# Altium PCB PFC_Stage.PcbDoc (part 4 of 5) (continued)
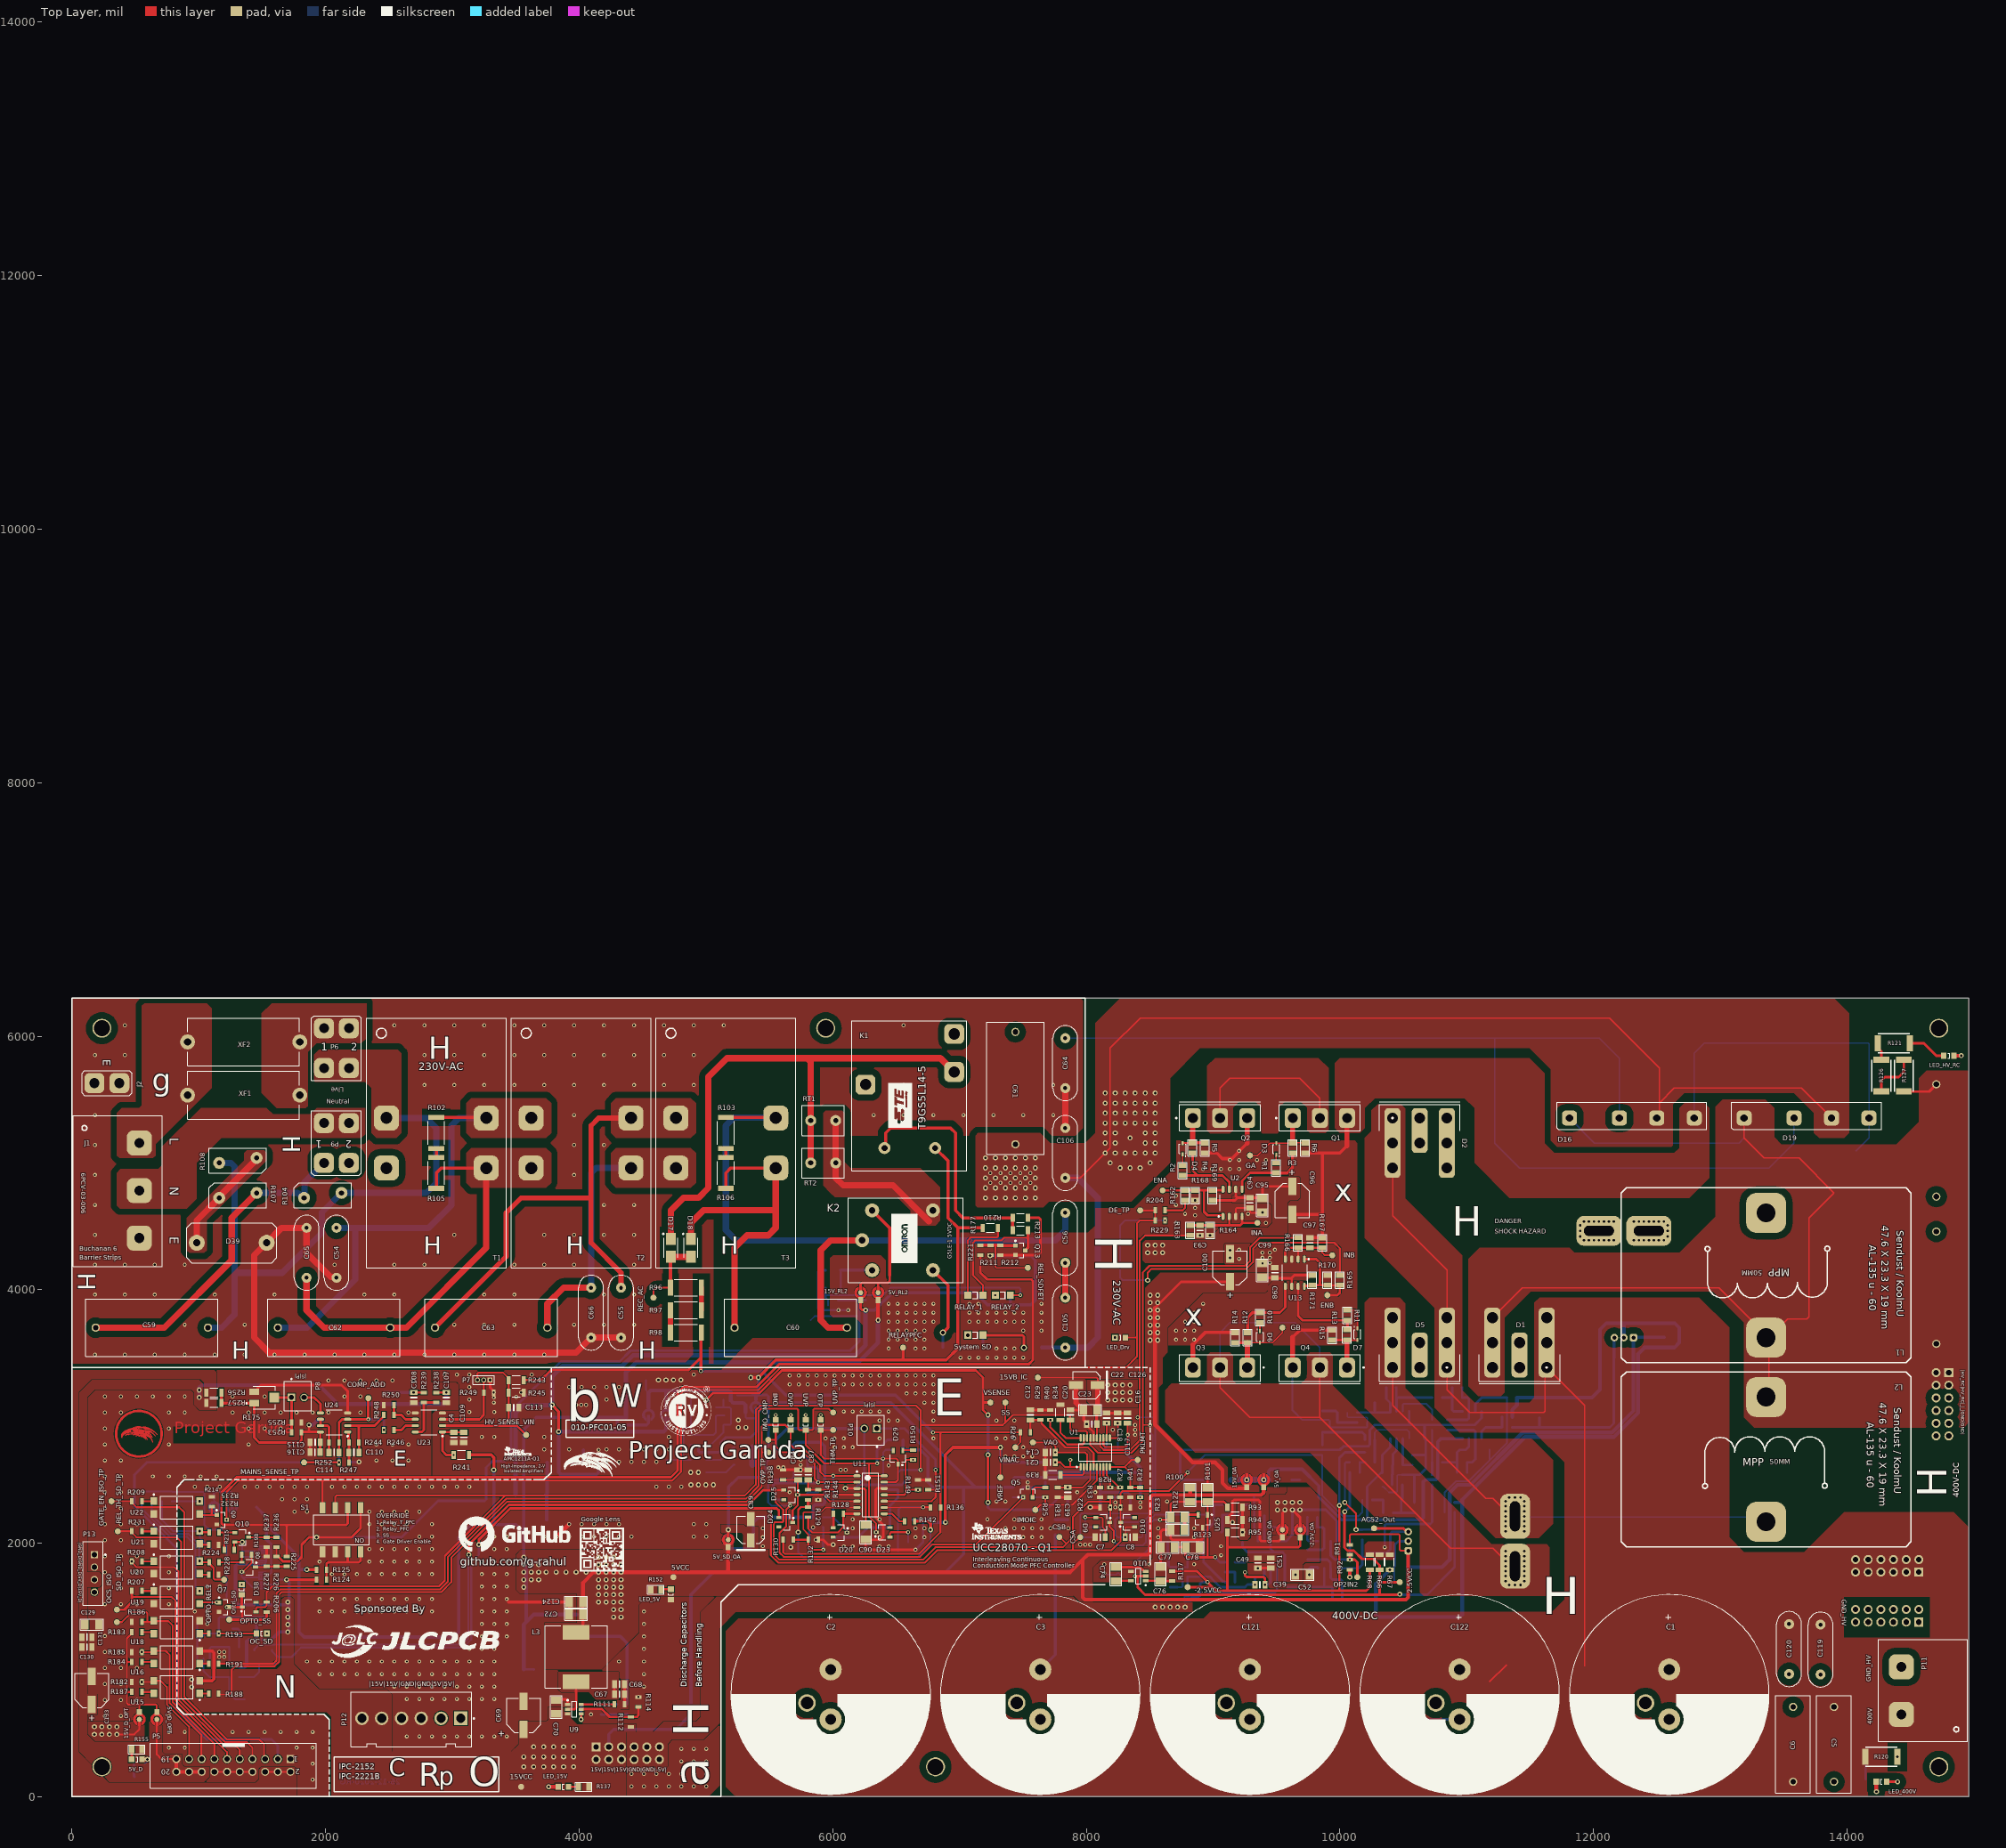
[diagram p0: Top Layer view]
## Nets (pads, with @x,y where several pads share a name; then routed paths per layer and width w, separated by ;. In a path a pad name is that pad's centre, name@x,y a point inside that pad or via, vN(x,y) a via of type N, cw(c..) or ccw(c..) an arc to the next point about the centre after c; other vN are vias at no path point) (continued)
NetR96_1: R96.1 R97.2 | length 177.2
  Top Layer w39.37: R97.2@4964.57,3838.58 R96.1@4964.57,4015.75
NetR97_1: R97.1 R98.2 | length 177.2
  Top Layer w39.37: R98.2@4720.47,3661.42 R97.1@4720.47,3838.58
NetR99_2: R99.2 U4.3 | length 385.1
  Bottom Layer w15: U4.3@10497.44,3040.35 10497.44,3091.4 10506.23,3100.18 10680.19,3100.18 10728.35,3052.03 R99.2@10728.35,2972.44
NetR102_2: R102.2 R105.1 | length 70.9
  Top Layer w25: R105.1@2874.02,5043.31 R102.2@2874.02,5114.17
NetR103_2: R103.2 R106.1 | length 70.9
  Top Layer w25: R106.1@5157.48,5043.31 R103.2@5157.48,5114.17
NetR111_2: R111.2 U9.6 | length 263
  Top Layer w20: U9.6@4017.45,728.06 4017.89,728.49 4277.71,728.49 R111.2@4279.53,730.32
NetR112_1: R112.1 R114.2 U9.5 | length 548.1
  Top Layer w20: U9.5@4017.45,690.65 4180.62,690.65 4241.35,629.92 4407.48,629.92 4456.79,629.92 4468.5,641.64 R114.2@4468.5,708.66
NetR118_2: R118.2 R119.1 | length 177.2
  Bottom Layer w20: R118.2@14146.15,137.8 R119.1@14146.15,314.96
NetR119_2: R119.2 R120.1
  other v2: 14397.15,314.96
NetR121_2: R121.2 R126.1 | length 141.6
  Top Layer w20: R121.2@14244.58,5944.88 14244.58,5906.88 14271.65,5879.81 R126.1@14271.65,5814.48
NetR122_1: R122.1 R123.1 U25.2 | length 215.7
  Top Layer w20: R122.1@8790.47,2224.41 U25.2@8881.89,2224.41
  Top Layer w30: R123.1@8775.47,2106.3 R122.1@8775.47,2204.72 8775.47,2209.41 R122.1@8790.47,2224.41
NetR124_2: R124.2 R125.2 S1.7 S1.8 | length 557.2
  Top Layer w20: R124.2@2007.87,1712.6 R125.2@2007.87,1791.34 2007.87,1838.68 2019.59,1850.39 2175.98,1850.39 ; S1.7@2175.98,1933.07 2175.98,1850.39 ; S1.8@2275.98,1933.07 2275.98,1862.6 2263.78,1850.39 2175.98,1850.39
NetR126_2: R126.2 R127.1 | length 388
  Top Layer w20: R126.2@14271.65,5563.48 14271.65,5649.61 14299.48,5677.44 14408.05,5677.44 14448.82,5718.21 R127.1@14448.82,5814.48
NetR128_2: R128.2 R129.1 U11.7 | length 609.9
  Top Layer w15: R129.1@5807.09,2206.3 5807.09,2115.95 5838.39,2084.65 6041.34,2084.65 6084.94,2128.25 6084.94,2230.98 R128.2@6084.64,2231.28
  Top Layer w20: R128.2@6084.64,2231.28 6084.94,2231.59 6191.62,2231.59 U11.7@6191.93,2231.89
NetR142_1: R142.1 U11.8 | length 185.3
  Top Layer w15: U11.8@6406.5,2231.89 6468.9,2231.89 6527.35,2173.44 R142.1@6567.58,2173.44
NetR146_2: R146.2 UVP.2 | length 37.4
  Top Layer w10: UVP.2@5787.4,2974.41 v1(5787.4,3011.81)
NetR172_2: R172.2 R173.1 | length 76.8
  Bottom Layer w20: R172.2@6989.17,3543.31 R173.1@7065.94,3543.31
NetR173_2: R173.2 R174.1 | length 98.4
  Bottom Layer w20: R173.2@7186.02,3543.31 R174.1@7186.02,3641.73
NetR174_2: "System SD.2" R174.2
  other v4: 7065.94,3641.73
NetR177_2: R177.2 RELAY_1.2 | length 749.2
  Top Layer w15: RELAY_1.2@7066.93,3956.69 7066.93,4389.76 7089.8,4412.64 7294.36,4412.64 7303.15,4421.42 R177.2@7303.15,4488.19
NetR178_2: R178.2 RELAY_2.2
  other v1: 7282.48,3956.69
NetR183_1: R183.1 U18.4 | length 99.5
  Top Layer w15: R183.1@551.18,1299.21 633.46,1299.21 U18.4@645.67,1287.01
NetR184_1: R184.1 U16.4 | length 99.5
  Top Layer w15: R184.1@551.18,1062.99 633.46,1062.99 U16.4@645.67,1050.79
NetR187_2: R187.2 U15.4 | length 99.5
  Top Layer w15: R187.2@551.18,826.77 633.46,826.77 U15.4@645.67,814.57
NetR188_2: R188.2 U15.1 | length 70.9
  Top Layer w15: U15.1@1007.87,814.57 1078.23,814.57 R188.2@1078.63,814.96
NetR189_2: R189.2 R190.1 R192.2 U17.3 | length 394.1
  Bottom Layer w15: U17.3@1087.99,1091.54 1087.99,1172.32 1096.78,1181.1 R189.2@1240.16,1181.1 R192.2@1240.16,1102.36 R190.1@1240.16,1023.62
NetR191_2: R191.2 U16.1 | length 70.8
  Top Layer w15: U16.1@1007.87,1050.79 1078.55,1050.79 R191.2@1078.63,1050.71
NetR193_2: R193.2 U18.1 | length 71
  Top Layer w15: U18.1@1007.87,1287.01 1078.15,1287.01 R193.2@1078.63,1287.48
NetR200_1: R200.1 U19.4 | length 975.4
  Bottom Layer w15: R200.1@551.18,2328.74 551.18,2270.8 772.06,2049.92 909.86,2049.92 972.81,1986.96 972.81,1658.29 v2(1007.87,1623.23)
NetR202_1: R202.1 U22.4 | length 221.8
  Bottom Layer w15: R202.1@787.4,2328.74 790.55,2331.89 v2(1007.87,2331.89)
NetR207_1: R207.1 U19.1 | length 94.6
  Top Layer w15: R207.1@551.18,1623.53 645.36,1623.53 U19.1@645.67,1623.23
NetR208_1: R208.1 U20.1 | length 95.1
  Top Layer w15: R208.1@551.18,1858 644.22,1858 U20.1@645.67,1859.45
NetR209_1: R209.1 U22.1 | length 94.7
  Top Layer w15: R209.1@551.18,2331.44 645.22,2331.44 U22.1@645.67,2331.89
NetR228_2: R228.2 U20.3 | length 73.9
  Top Layer w15: U20.3@1007.87,1759.45 1015.35,1751.97 R228.2@1078.63,1751.97
NetR231_1: R231.1 U21.1 | length 95.1
  Top Layer w15: R231.1@551.18,2094.07 644.07,2094.07 U21.1@645.67,2095.67
NetR232_2: R232.2 U21.3 | length 73.9
  Top Layer w15: U21.3@1007.87,1995.67 1015.35,1988.19 R232.2@1078.63,1988.19
NetR238_2: R238.2 R239.2 U23.8 | length 389.5
  Top Layer w20: U23.8@2707.68,2877.76 2759.65,2877.76 2775.59,2893.7 R239.2@2775.59,3110.24 R238.2@2874.02,3110.24
NetR240_1: R240.1 R242.2 U14.1 | length 203.7
  Bottom Layer w25: U14.1@3929.13,2637.8 R240.1@4034.45,2637.8 R242.2@4034.45,2736.22
NetR246_1: R246.1 U23.7 | length 182.4
  Top Layer w20: R246.1@2539.37,2893.7 2598.43,2893.7 2632.48,2927.76 U23.7@2707.68,2927.76
NetR248_1: R248.1 R250.1 U23.6 | length 261.2
  Top Layer w20: R250.1@2539.37,3090.55 R248.1@2539.37,3011.81 2598.43,3011.81 2632.48,2977.76 U23.6@2707.68,2977.76
NEUTRAL_2: C60.1 C61.1 C105.1 C106.1 D16.4 D18.2 D19.4 D30.1 R106.2 T3.2 | length 12495.7
  Top Layer w10: C106.1@7834.65,4881.89 7952.76,4881.89 8188.98,5118.11 8188.98,5905.51 8425.2,6141.73 12125.98,6141.73 12519.68,5748.03 12519.68,5472.44 ; D16.4@12500,5354.33 12519.68,5374.02 12519.68,5472.44 ; D19.4@13877.95,5354.33 13641.73,5590.55 12637.8,5590.55 12519.68,5472.44
  Top Layer w25: R106.2@5157.48,4799.21 5157.48,4921.26 5196.85,4960.63 T3.2@5551.18,4960.63
  Top Layer w50: D18.2@4881.89,4401.57 4881.89,4527.56 4980.31,4625.98 5551.18,4625.98 ; C60.1@5226.38,3700.79 5226.38,4330.71 5324.8,4429.13 5492.13,4429.13 5551.18,4488.19 5551.18,4625.98 ; T3.2@5551.18,4960.63 5551.18,4625.98
  Bottom Layer w30: D30.1@7649.61,3543.31 C105.1@7834.65,3543.31
  Bottom Layer w50: C105.1@7834.65,3543.31 8011.81,3543.31 8090.55,3622.05 8090.55,4724.41 7933.07,4881.89 C106.1@7834.65,4881.89
  other v1: 7244.09,4842.52 7322.83,4842.52 7401.57,4842.52 7480.32,4842.52 7559.06,4842.52 7244.09,4921.26 7322.83,4921.26 7401.57,4921.26 7480.32,4921.26 7559.06,4921.26
  other v2: 7204.72,4724.41 7283.46,4724.41 7362.2,4724.41 7440.94,4724.41 7519.68,4724.41 7598.43,4724.41 7204.72,4803.15 7283.46,4803.15 7362.2,4803.15 7440.94,4803.15 7519.68,4803.15 7598.43,4803.15 7204.72,4881.89 7283.46,4881.89 7362.2,4881.89 7440.94,4881.89 7519.68,4881.89 7598.43,4881.89 7204.72,4960.63 7283.46,4960.63 7362.2,4960.63 7440.94,4960.63 7519.68,4960.63 7598.43,4960.63 8267.72,4960.63 8346.46,4960.63 8425.2,4960.63 8188.98,5000 8503.94,5000 7204.72,5039.37 7283.46,5039.37 7362.2,5039.37 7440.94,5039.37 7519.68,5039.37 7598.43,5039.37 8149.61,5078.74 8228.35,5078.74 8307.09,5078.74 8385.83,5078.74 8464.57,5078.74 8543.31,5078.74 8149.61,5157.48 8228.35,5157.48 8464.57,5157.48 8543.31,5157.48 8346.46,5196.85 8149.61,5236.22 8228.35,5236.22 8464.57,5236.22 8543.31,5236.22 8149.61,5314.96 8228.35,5314.96 8307.09,5314.96 8385.83,5314.96 8464.57,5314.96 8543.31,5314.96 8149.61,5393.7 8228.35,5393.7 8307.09,5393.7 8385.83,5393.7 8464.57,5393.7 8543.31,5393.7 8149.61,5472.44 8228.35,5472.44 8307.09,5472.44 8385.83,5472.44 8464.57,5472.44 8543.31,5472.44 8149.61,5551.18 8228.35,5551.18 8307.09,5551.18 8385.83,5551.18 8464.57,5551.18 8543.31,5551.18
OC_9: D35.3 OC_SD.1 OC_TRIP.1 R193.1 R195.2 U17.1 | length 1329.6
  Top Layer w15: R193.1@1157.37,1287.48 OC_SD.1@1454.72,1287.48 OC_SD.1@1454.72,1289.45
  Bottom Layer w15: U17.1@987.99,1091.54 987.99,1224.21 ; OC_TRIP.1@990.38,1368.47 987.99,1366.08 987.99,1224.21 ; R195.2@1535.43,1358.27 1535.43,1408.54 1526.65,1417.32 1167.59,1417.32 1158.81,1408.54 v1(1158.81,1287.38) 1051.16,1287.38 987.99,1224.21
OC_SIG_9: OCS_ISO.1 P5.13 R186.1 U18.3 | length 1798.3
  Top Layer w15: OCS_ISO.1@354.33,1377.95 393.7,1377.95 472.44,1456.69 585.11,1456.69 593.9,1447.91 593.9,1377.95 ; R186.1@551.18,1377.95 593.9,1377.95 ; P5.13@1123.62,296.85 1123.62,417.45 793.78,747.3 793.78,1351.89 760.93,1384.74 647.93,1384.74 U18.3@645.67,1387.01 636.61,1377.95 593.9,1377.95
OP_AMP_1_INPUT_2_6: C26.2 OP1IN2.1 R64.1 R65.2 U3.3 | length 1576.2
  Bottom Layer w15: R64.1@10826.77,2244.09 R65.2@10826.77,2322.83 10826.77,2398.92 10916.98,2489.13 11014.66,2489.13 11182.06,2656.53 ; OP1IN2.1@11181.1,2736.22 11182.06,2735.27 11182.06,2656.53 ; C26.2@11318.27,3149.61 11318.9,3148.98 11318.9,2793.37 11182.06,2656.53
  Bottom Layer w20: U3.3@11068.31,3040.35 11068.31,3098.52 11119.39,3149.61 C26.2@11318.27,3149.61
OP_AMP_1_VREF_6: R60.1 R66.2 R67.2 R68.2 | length 851.4
  Bottom Layer w20: v1(10354.33,1968.5) 10354.33,2140.11 10366.05,2151.82 10714.82,2151.82 10728.35,2165.35 R60.1@10728.35,2460.63
OP_AMP_2_INPUT_2_7: C41.2 OP2IN2.1 R91.1 R92.2 U6.3 | length 660.1
  Top Layer w20: R91.1@10078.74,1909.13 v1(10078.74,1870.08) 10118.11,1870.08 10137.8,1850.39 OP2IN2.1@10137.8,1732.28
  Bottom Layer w20: U6.3@9926.57,2016.73 9926.57,1904.13 9960.63,1870.08 v1(10078.74,1870.08) C41.2@10078.74,2026.93
OP_AMP_2_VREF_7: R87.1 R93.2 R94.2 R95.2 | length 196.9
  Top Layer w20: v2(9233.27,2086.61) R94.2@9233.27,2185.04 R93.2@9233.27,2283.46
OP_AMP_CS_VDD: 5V_OA.2 15V_OA.2 C34.2 C35.2 C36.2 C37.2 C49.2 C50.2 C51.2 C52.2 U3.8 U4.8 U6.8 U7.8 | length 3663.7
  Top Layer w20: C49.2@9354.17,1803.99 C51.2@9454.13,1803.99
  Bottom Layer w20: v2(9759.72,1751.97) 9759.72,1799.31 9771.44,1811.02 9824.9,1811.02 9826.57,1809.35 U6.8@9826.57,1802.17 ; 10216.54,2185.04 10216.54,2446.89 10324.65,2555 C35.2@10334.65,2555 10334.65,2696.85 10397.44,2759.65 U4.8@10397.44,2825.79
  Bottom Layer w25: C34.2@9437.01,2500 9437.01,2569 9451.65,2583.64 9703.05,2583.64 9834.33,2452.36 9834.33,2364.01 10013.3,2185.04 10216.54,2185.04 10643.5,2185.04 10658.15,2199.68 10658.15,2485.36 10672.79,2500 10758.68,2500 10773.33,2514.64 10773.33,2604.36 10772.93,2604.75 10772.93,2800.49 C37.2@10787.4,2814.96 10798.23,2825.79 U3.8@10968.31,2825.79
  Bottom Layer w50: C36.2@9145.67,2500 9232.28,2500 9299.21,2500 9370.08,2500 C34.2@9437.01,2500
  other v1: 9354.13,1802.17
  other v2: 9265.75,2500 9400,2500
OP_AMP_CS_VSS: -2.5V_OA.2 C29.1 C34.1 C35.1 C36.1 C37.1 C49.1 C50.1 C51.1 C52.1 GND_OA.2 R42.2 R53.2 U3.4 U4.4 U6.4 U7.4 | length 5591.7
  Top Layer w20: GND_OA.2@9547.24,2106.3 9547.24,2238.85 9566.93,2258.54 v2(9566.93,2263.78) ; v2(9625.98,2263.78) 9687.01,2202.76 -2.5V_OA.2@9687.01,2106.3
  Bottom Layer w12: C35.1@10334.65,2445 10344.65,2445 10388.07,2401.57 10445.73,2401.57 10452.76,2408.6 10452.76,2532.34 10459.79,2539.37 R53.2@10492.13,2539.37
  Bottom Layer w20: C36.1@8925.2,2500 8751.87,2500 8740.16,2511.72 8740.16,2724.5 8751.87,2736.22 10000,2736.22 10028.72,2764.94 10224.5,2764.94 10236.22,2776.65 10236.22,2893.7 10275.59,2933.07 10547.44,2933.07 ; U7.4@9504.13,2016.73 9575.79,2016.73 9625.98,2066.93 v2(9625.98,2263.78) v2(9685.04,2263.78) 9887.73,2263.78 9976.57,2174.93 U6.4@9976.57,2016.73 ; C34.1@9620.08,2500 C34.1@9685.04,2500 ; R53.2@10492.13,2539.37 10590.55,2539.37 ; U4.4@10547.44,3040.35 10547.44,2933.07 ; R42.2@10571.7,2696.01 10672.51,2696.01 10677.4,2700.91 ; C29.1@10588.52,2320.68 10588.52,2537.34 10590.55,2539.37 ; C37.1@10669.29,2823.07 10669.29,2933.07 ; C37.1@10677.4,2814.96 10677.4,2700.91 ; U3.4@11118.31,3040.35 11117.61,3039.66 11117.61,2987.69 11062.99,2933.07 10669.29,2933.07 ; 10547.44,2933.07 10669.29,2933.07 ; 10590.55,2539.37 10629.92,2539.37 10677.4,2586.85 10677.4,2700.91
  other v2: 9649.72,1751.97 9507.87,2263.78 9507.87,2322.83 9566.93,2322.83 9625.98,2322.83 9685.04,2322.83
OP_AMP_VDD_MS: C115.1 C116.1 C118.2 R175.1 R253.1 R256.1 R257.1 U24.8 | length 1561.9
  Top Layer w15: R175.1@1431.1,3110.24 R175.1@1437.01,3104.33
  Top Layer w20: R175.1@1437.01,3104.33 1437.01,2834.65 1476.38,2795.28 1791.34,2795.28 1811.02,2814.96 R253.1@1811.02,2874.02 1814.76,2877.76 1870.08,2877.76 ; v2(1870.08,2933.07) 1870.08,2877.76 ; C116.1@1957.66,2717.59 1958.07,2718.01 C115.1@1958.07,2794.86 ; C115.1@1958.49,2795.28 C115.1@1958.07,2794.86 ; 1870.08,2877.76 U24.8@1959.65,2877.76 1959.07,2877.18 1959.07,2795.85 C115.1@1958.07,2794.86
  Top Layer w25: R256.1@1180.18,3188.98 R257.1@1180.18,3106.63 1182.48,3104.33 1425.2,3104.33 R175.1@1431.1,3110.24
  Bottom Layer w30: v2(1870.08,2933.07) 1871.05,2934.05 1900.58,2934.05 1938.98,2972.44 C118.2@1976.38,2972.44
OUTA1: R2.1 R4.1 U2.7 | length 639.9
  Top Layer w20: R2.1@8759.84,4900.94 8878.58,4900.94 ; R4.1@8838.58,5078.11 8838.58,4940.94 8878.58,4900.94 ; U2.7@9128.54,4792.32 9128.54,4847.83 9075.43,4900.94 8878.58,4900.94
OUTA2: R1.1 R3.1 U2.5 | length 633.5
  Top Layer w20: U2.5@9228.54,4792.32 9228.54,4858.46 9291.73,4921.65 R1.1@9497.9,4921.65
  Top Layer w25: R1.1@9488.19,4920.63 9585.98,4920.63 9625.98,4960.63 R3.1@9625.98,5078.11
OUTB1: R11.1 R13.1 U13.7 | length 709.8
  Top Layer w20: U13.7@9670.67,4026.57 9670.67,3793.9 9706.31,3758.25 R11.1@10058.09,3758.25
  Top Layer w25: R13.1@10057.13,3683.7 10058.09,3684.66 R11.1@10058.09,3758.25
OUTB2: R10.1 R12.1 U13.5 | length 615.2
  Top Layer w20: R10.1@9370.08,3819.53 9528.19,3819.53 9570.67,3862.01 U13.5@9570.67,4026.57
  Top Layer w25: R12.1@9271.65,3662.05 9271.65,3779.53 9311.65,3819.53 R10.1@9370.08,3819.53
OV_SIG_9: OV_ISO.1 P5.17 R182.2 U15.3 | length 864.1
  Top Layer w15: v2(551.18,905.51) U15.3@650.79,905.51 ; U15.3@645.67,914.57 699.61,914.57 748.03,866.14 748.03,728.35 923.62,552.76 P5.17@923.62,296.85
OVP: D20.3 D21.3 OVP.1 OVP_TP.1 R131.2 R188.1 U11.1 | length 7614.5
  Top Layer w15: R188.1@1157.37,814.96 1157.37,813.37 1163.65,807.09 1240.16,807.09 1259.84,826.77 1259.84,963.01 1259.84,1002.08 1287.47,1029.71 1597.87,1029.71 1634.77,1066.61 1634.77,1594.41 1654.53,1614.17 2913.39,1614.17 2992.13,1692.91 2992.13,1886.33 3434.32,2328.52 5324.14,2328.52 5439.45,2443.84 5439.45,2716.54 ; OVP_TP.1@5492.13,2716.54 5439.45,2716.54 ; U11.1@6191.93,2531.89 v1(6003.94,2531.89) 6000.78,2535.05 5997.62,2531.89 5932.68,2531.89 5902.14,2562.43 5902.14,2614.73 5764.34,2752.53 5692.35,2752.53 5669.29,2775.59 OVP.1@5669.29,2891.73 5667.32,2891.73 5625.98,2933.07 5452.76,2933.07 5439.45,2919.76 5439.45,2716.54
  Bottom Layer w15: R131.2@5925.2,2204.72 6003.94,2204.72 ; v1(6003.94,2531.89) 6003.94,2204.72 ; v1(6111.89,2084.33) 6111.89,2096.77 6003.94,2204.72
REC_AC_Sense_2: D17.1 D18.1 R96.2 REC_AC.1 | length 604.3
  Top Layer w12: REC_AC.1@4586.61,3937.01 4586.61,3996.06 4606.3,4015.75 R96.2@4720.47,4015.75 R96.2@4720.47,4041.43
  Top Layer w25: R96.2@4720.47,4041.43 4720.47,4255.91 D17.1@4724.41,4259.84
  Top Layer w50: D17.1@4724.41,4259.84 D18.1@4881.89,4259.84
RELAY_PFC_2: D31.1 D32.2 K1.5 Q6.3 R177.1 RD_Bypass.1 RELAYPFC.1 | length 4771.3
  Top Layer w25: v2(5354.33,3307.09) v2(5413.39,3307.09) 5551.18,3444.88 6555.12,3444.88 ; RELAYPFC.1@6555.12,3543.31 6555.12,3444.88 ; K1.5@6808.66,5117.72 6909.45,5016.93 6909.45,4566.93 6988.19,4488.19 ; R177.1@7183.07,4488.19 6988.19,4488.19 ; 6555.12,3444.88 6894.8,3444.88 6988.19,3538.27 6988.19,4488.19
  Bottom Layer w15: Q6.3@5246.06,3167.32 5368.11,3167.32 5371.06,3170.28 5374.02,3173.23
  Bottom Layer w20: D32.2@5366.14,2755.91 5480.41,2755.91 5492.13,2767.62 5492.13,3158.56 5480.41,3170.28 5413.39,3170.28 5392.22,3170.28 5371.06,3170.28
  Bottom Layer w25: 5392.22,3170.28 5394.73,3167.77 5394.73,3130.95 RD_Bypass.1@5393.7,3129.92 ; 5413.39,3170.28 v2(5413.39,3307.09)
  Bottom Layer w50: D31.1@5366.14,2618.11 D32.2@5366.14,2755.91
RELAY_PFC_SD: R221.1 R225.2 S1.2 | length 10016.3
  Top Layer w20: R225.2@1692.91,1895.67 1692.91,2145.67 ; S1.2@2175.98,2279.53 2175.98,2157.39 2164.27,2145.67 1692.91,2145.67 ; R221.1@7165.35,4271.65 7165.35,4133.86 7218.37,4080.84 7567.02,4080.84 7578.74,4069.13 7578.74,3444.88 7545.06,3411.2 5576.56,3411.2 5399.39,3234.04 4822.83,3234.04 4777.78,3188.98 4777.78,2573.05 4724.41,2519.68 1299.21,2519.68 1179.29,2399.76 1179.29,2157.39 1191,2145.67 1692.91,2145.67
Relay_SIG_PFC_SD_9: P5.9 R208.2 REL_ISO_TP.1 | length 2138.8
  Top Layer w15: v2(472.44,1858) 472.44,1847.17 508.59,1811.02 807.09,1811.02 839.53,1778.58 839.53,767.62 1200.14,407.01 1285.91,407.01 1323.62,369.29 P5.9@1323.62,296.85
Relay_SIG_Thermistor_PFC_SD_9: P5.7 R231.2 REL_TH_SD_TP.1 | length 2588.4
  Top Layer w15: REL_TH_SD_TP.1@361.29,2094.07 R231.2@472.44,2094.07 472.44,2083.24 508.44,2047.24 825.2,2047.24 862.4,2010.04 862.4,777.1 878.81,760.7 1209.62,429.88 1381.14,429.88 1423.62,387.4 P5.7@1423.62,296.85
RELAY_Thermistor_PFC_SD: Q14.1 R218.2 R219.1 R226.2 R236.2 S1.1 TREL_SDFET.1 | length 7289.9
  Top Layer w15: R226.2@1614.17,1895.67 R236.2@1614.17,1968.5
  Top Layer w20: R226.2@1614.17,1895.67 1625,1895.67 1628.78,1891.89 1628.78,1891.45 1663.93,1856.3 1777.56,1856.3 1811.02,1889.76 1811.02,1988.19 1870.08,2047.24 v2(1929.13,2047.24) 2204.72,2047.24 2275.98,2118.5 S1.1@2275.98,2279.53
  Bottom Layer w12: TREL_SDFET.1@5826.77,3759.84 5858.85,3791.92 6200.71,3791.92 6208.91,3783.72
  Bottom Layer w15: Q14.1@6043.31,3915.35 Q14.1@6044.29,3916.34 ; R218.2@6121.06,3916.34 R218.2@6122.05,3917.32
  Bottom Layer w20: v2(1929.13,2047.24) 2598.78,2047.24 2887.07,2335.53 3256,2335.53 3267.72,2347.25 3267.72,2598.74 3316.93,2647.95 3415.67,2647.95 3464.57,2696.85 3464.57,3042.15 3856.29,3433.87 4320.78,3433.87 4406.53,3519.63 6137.74,3519.63 6208.91,3590.8 6208.91,3791.92 6208.91,3917.32 ; Q14.1@6044.29,3916.34 R218.2@6121.06,3916.34 ; R218.2@6122.05,3917.32 6208.91,3917.32 ; R219.1@6259.84,3917.32 6208.91,3917.32
SD_9: Cntrl_SD.1 D38.3 OPTO_SS.1 Q7.3 R203.1 R206.2 | length 661.5
  Top Layer w20: v1(1220.47,1496.06) Q7.3@1239.98,1496.06 D38.3@1340.39,1496.06 ; OPTO_SS.1@1240.16,1397.64 1343.5,1397.64 ; Cntrl_SD.1@1338.58,1592.52 1338.58,1497.87 D38.3@1340.39,1496.06 ; R206.2@1535.43,1456.69 1535.43,1417.32 1515.75,1397.64 1343.5,1397.64 ; D38.3@1340.39,1496.06 D38.3@1343.5,1496.06 1343.5,1397.64
SD_OP_VDD: 5V_SD_OA.2 15V_SD_OA.2 C89.1 C90.1 C91.1 P10.2 R147.2 U11.3 | length 3250.7
  Top Layer w20: 5V_SD_OA.2@5176.02,2027.56 5176.02,2105.15 v2(5177.17,2106.3) ; v2(6100.14,2433.61) 6101.57,2432.17 6191.64,2432.17 U11.3@6191.93,2431.89 ; U11.3@6192.62,2431.2 6248.13,2431.2 6259.84,2419.48 C90.1@6259.84,2141.61
  Bottom Layer w20: 5177.17,2066.93 v2(5177.17,2106.3) ; v2(6100.14,2433.61) 6173.76,2433.61 6200.79,2460.63 ; P10.2@6249.21,2905.51 6249.21,2509.06 6200.79,2460.63 ; R147.2@6594.49,2500 6583.66,2500 6544.29,2460.63 6200.79,2460.63
  Bottom Layer w25: v2(5177.17,2106.3) 5177.17,2440.95 5255.91,2519.68 5433.07,2519.68 5472.44,2559.06 5472.44,2637.8 5551.18,2716.54 5551.18,2814.96 5641.73,2905.51 P10.2@6249.21,2905.51
SD_SIG_9: P5.11 R207.2 SD_ISO_TP.1 | length 2053
  Top Layer w15: R207.2@472.44,1623.53 472.44,1574.8 787.4,1574.8 816.65,1545.55 816.65,758.15 1222.58,352.23 1222.58,297.89 P5.11@1223.62,296.85
  Top Layer w20: SD_ISO_TP.1@354.33,1476.38 413.39,1476.38 472.44,1535.43 472.44,1574.8 472.44,1612.71 R207.2@472.44,1623.53
SS: C20.1 D38.1 R161.1 R206.1 S1.3 SS.1 U1.18 | length 10277.1
  Top Layer w15: D38.1@1451.77,1458.66 1451.77,1487.28 1460.56,1496.06 1524.59,1496.06 1535.43,1506.91 R206.1@1535.43,1535.43 1535.43,1614.17 1581.18,1659.92 2894.44,1659.92 2940.09,1705.58 2940.09,1898.99 3416.43,2375.33 ; S1.3@2075.98,2279.53 2075.98,2366.54 2084.77,2375.33 3416.43,2375.33 ; v1(6692.91,2578.74) 6692.91,2933.07 ; SS.1@7362.2,3110.24 7362.2,2952.76 ; U1.18@8006.89,2830.71 8006.89,2876.35 7998.1,2885.14 7894.5,2885.14 7874.02,2905.62 C20.1@7874.02,2971.81 7871.52,2974.31 7871.52,3005.52 7865.23,3011.81 7421.26,3011.81 7362.2,2952.76 ; 3416.43,2375.33 5306.24,2375.33 5393.7,2462.79 5393.7,3051.18 5427.38,3084.86 6659.23,3084.86 6692.91,3051.18 6692.91,2933.07 ; 6692.91,2933.07 7342.52,2933.07 7362.2,2952.76
  Bottom Layer w15: R161.1@6515.75,2500 6515.75,2559.06 6535.43,2578.74 v1(6692.91,2578.74)
SYNC_3: R39.1 U1.2 | length 242.8
  Top Layer w15: R39.1@7796.26,2539.37 7972.44,2539.37 7981.3,2548.23 U1.2@7981.3,2602.36
System_Off_2: K2.2 R172.1 | length 675.9
  Top Layer w25: K2.2@6791.34,4153.54 6909.45,4035.43 6909.45,3700.79 v4(6870.08,3661.42)
  Bottom Layer w15: R172.1@6869.09,3543.31 R172.1@6869.59,3543.8
  Bottom Layer w20: R172.1@6869.59,3543.8 6869.59,3660.93 v4(6870.08,3661.42)
UV_SIG_9: P5.15 R185.2 U16.3 UV_ISO.1 | length 1163.4
  Top Layer w15: v2(551.18,1141.73) 636.61,1141.73 U16.3@645.67,1150.79 738.98,1150.79 770.91,1118.86 770.91,737.82 1021.03,487.69 1021.03,299.44 P5.15@1023.62,296.85
UVP: D23.3 D27.3 R141.2 R191.1 U11.14 UVP.1 UVP_TP.1 | length 8462.8
  Top Layer w15: R191.1@1157.37,1050.71 1589.17,1050.71 1612.86,1074.4 1612.86,1605.39 1642.65,1635.17 2902.04,1635.17 2966.11,1699.25 2966.11,1892.66 3424.85,2351.4 5314.66,2351.4 5416.57,2453.31 5416.57,3041.71 5436.86,3061.99 5717.54,3061.99 5728.35,3051.18 5728.35,2900.52 5737.13,2891.73 UVP.1@5787.4,2891.73 ; UVP_TP.1@6003.94,3031.5 5998.71,3031.5 5969.36,3060.85 5855.24,3060.85 5846.46,3052.06 5846.46,2900.52 5837.67,2891.73 UVP.1@5787.4,2891.73 ; D23.3@6343.5,2086.61 6343.5,2153.23 6287.72,2209.02 6287.72,2531.89 ; v1@6346.97,2629.61 6287.72,2629.61 ; U11.14@6406.5,2531.89 6287.72,2531.89 ; UVP.1@5787.4,2891.73 5787.4,2775.59 5933.39,2629.61 6287.72,2629.61 ; 6287.72,2531.89 6287.72,2629.61
  Bottom Layer w20: v1(6350.08,2629.61) 6350.08,2732.44 6432.6,2814.96 R141.2@6476.38,2814.96
  other v1: 6343.19,2086.3
VINAC: R26.2 R98.1 R130.1 R136.1 R243.2 VINAC.1 | length 6832
  Top Layer w12: VINAC.1@7440.94,2755.91 7480.32,2795.28 R26.2@7480.31,2874.02
  Top Layer w15: R130.1@5610.24,2027.56 5610.24,1929.13 5623.54,1915.83 6679.61,1915.83 6850.39,2086.61 R136.1@6850.39,2283.46 6850.39,2874.02 ; v1(6791.34,2874.02) 6850.39,2874.02 ; R26.2@7480.31,2874.02 6850.39,2874.02
  Top Layer w20: R243.2@3563.98,3287.4 3700.79,3287.4 3779.53,3366.14 4862.2,3366.14 4960.63,3464.57
  Top Layer w25: v1(4960.63,3357.89) 4960.63,3464.57 4960.63,3657.48 R98.1@4964.57,3661.42
  Bottom Layer w25: v1(4960.63,3357.89) 5441.32,3357.89 5629.92,3169.29 6496.06,3169.29 v1(6791.34,2874.02)
VREF_3: C117.1 R32.1 R38.2 R129.2 R142.2 R143.1 U1.13 VREF.1 | length 5513.3
  Top Layer w15: v2(5728.35,2086.61) 5728.35,2263.78 5749.61,2285.04 R129.2@5807.09,2285.04 ; VREF.1@7322.83,2519.68 v2(7322.83,2755.91) ; U1.13@8134.84,2830.71 8134.84,2773.86 8149.61,2759.09 8310.28,2759.09 8326.28,2775.1 C117.1@8326.28,2947.01
  Top Layer w25: R129.2@5807.09,2285.04 R143.1@5807.09,2342.52 ; R142.2@6646.32,2173.44 6754.14,2173.44 6771.65,2155.92 v2(6771.65,2106.3) ; v2(6889.76,2165.35) 6889.76,2696.85 6948.82,2755.91 v2(7322.83,2755.91)
  Bottom Layer w15: v2(5728.35,2086.61) 5728.35,1929.13 5767.72,1889.76 6673.23,1889.76 6771.65,1988.19 v2(6771.65,2106.3)
  Bottom Layer w25: v2(6771.65,2106.3) 6771.65,2145.67 6791.34,2165.35 v2(6889.76,2165.35) ; v2(7322.83,2755.91) 7322.83,2657.48 7342.52,2637.8 R38.2@7677.17,2637.8 7677.17,2578.73 7696.85,2559.06 8425.2,2559.06 ; v1(8326.77,2854.33) 8326.77,2696.85 8425.2,2598.43 8425.2,2559.06 ; v1(8425.2,2362.2) 8425.2,2559.06
VSENSE_1: R9.1 R30.2 R157.2 VSENSE.1 | length 4139.1
  Top Layer w20: v2(5000.98,3129.92) 5056.22,3185.16 5423.12,3185.16 5600.29,3362.33 7129.8,3362.33 7185.04,3307.09 7185.04,3110.24 ; v2(7224.41,2321.83) v2(7224.41,2696.85) ; v2(7224.41,3011.81) 7185.04,3051.18 7185.04,3110.24 ; VSENSE.1@7244.09,3110.24 7185.04,3110.24
  Bottom Layer w20: v2(7224.41,2321.83) 7224.41,2283.46 7244.09,2263.78 7688.22,2263.78 7786.64,2362.2 R30.2@7854.33,2362.2
  Bottom Layer w25: v2(7224.41,2696.85) v2(7224.41,3011.81) ; R9.1@7854.33,2304.13 R30.2@7854.33,2362.2
pads on no net: C1. C2. C3. C121. C122. D1.2 D2.2 D5.2 D8.2 D9.2 D10.2 D11.2 D20.2 D21.2 D22.2 D23.2 D24.2 D25.2 D26.2 D27.2 D28.2 D29.2 D35.2 D36.2 D37.2 D38.2 J3.1 J4.1 J5.1 J6.1 J7.1 J8.1 K1.3 P1.5 P1.6 P1.7 P1.8 U17.5 U17.6 U17.7
copper on no net: | length 1131
  Top Layer w20: 707.82,2863.75 ccw(c527.82,2863.75) 707.82,2863.75

## Polygon pours and split planes (outlines as drawn)
-5V_A_E on Bottom Layer "-5V_A_E" (solid, pour order 1): 18 vertices, not listed, extent 8503.94,1456.69 8838.58,1607.68
HV_RC on Bottom Layer "HV_RC_Dummy" (solid, pour order 70): 13204.72,3733.4 13250.85,3779.53 13473.56,3779.53 13519.69,3733.4 13519.69,3042.19 13473.56,2996.06 13250.85,2996.06 13204.72,3042.19
15V_D on Bottom Layer "15V_D_B1" (solid, pour order 67): 21 vertices, not listed, extent 0,0 1771.65,1673.23
no net on Bottom Layer "SWITCH_NODE_ISO" (solid, pour order 63): 3838.58,984.25 4311.02,984.25 4311.02,767.72 4133.86,767.72 4074.8,826.77 3996.06,826.77 3996.06,669.29 3897.64,669.29 3897.64,826.77 3858.27,826.77 3838.58,846.46
5V_A on Bottom Layer "5V_B_mini" (solid, pour order 52): 80 vertices, not listed, extent 1185.78,531.5 4606.3,3051.18
GND_HV on Bottom Layer "GND_HV_Bulk" (solid, pour order 11): 30 vertices, not listed, extent 4383.86,0 14960.63,6299.21
15V_A on Bottom Layer "15V_B_B2" (solid, pour order 69): 42 vertices, not listed, extent 1062.99,984.25 1745.47,2322.83
15V_A on Bottom Layer "15V_B_B1" (solid, pour order 68): 885.83,708.66 886.46,708.03 998.62,708.03 1003.94,713.35 1003.94,1003.94 885.83,1003.94
15V_A on Bottom Layer "15V_A_L02_P026" (solid, pour order 26): 65 vertices, not listed, extent 3503.94,177.17 8641.73,4389.76
GND_HV on Bottom Layer "GND_HV_L02_P079" (solid, remove dead copper, pour order 79): 32 vertices, not listed, extent 834.8,0 7716.54,4035.43
RELAY_PFC_2 on Bottom Layer "RELAY_PFC_B" (solid, pour order 53): 5531.5,3149.61 5531.5,3228.35 5433.07,3326.77 5383.86,3326.77 5314.96,3326.77 5311.02,3322.83 5311.02,3153.54 5314.96,3149.61
SD_OP_VDD on Bottom Layer "SD_OP_VDD" (solid, pour order 73): 30 vertices, not listed, extent 5137.8,2086.61 6299.21,2952.76
OP_AMP_2_VREF_7 on Bottom Layer "OP_AMP_2_VREF_2" (solid, pour order 62): 9192.91,2125.98 9192.91,2047.24 9291.34,2047.24 9291.34,2125.98
OP_AMP_CS_VSS on Bottom Layer "NONET_L-01_P-001" (solid, pour order 41): 8747.75,2755.91 8721.93,2730.09 8721.93,2360.74 8740.16,2342.52 9429.13,2342.52 9448.82,2322.83 9448.82,2204.72 9488.19,2165.35 9685.04,2165.35 9704.72,2185.04 9704.72,2244.09 9842.52,2244.09 9842.52,2657.48 9822.83,2677.17 9822.83,2755.91